# Altium PCB TIDA-010933-RevA.PcbDoc (part 2 of 9) (continued)
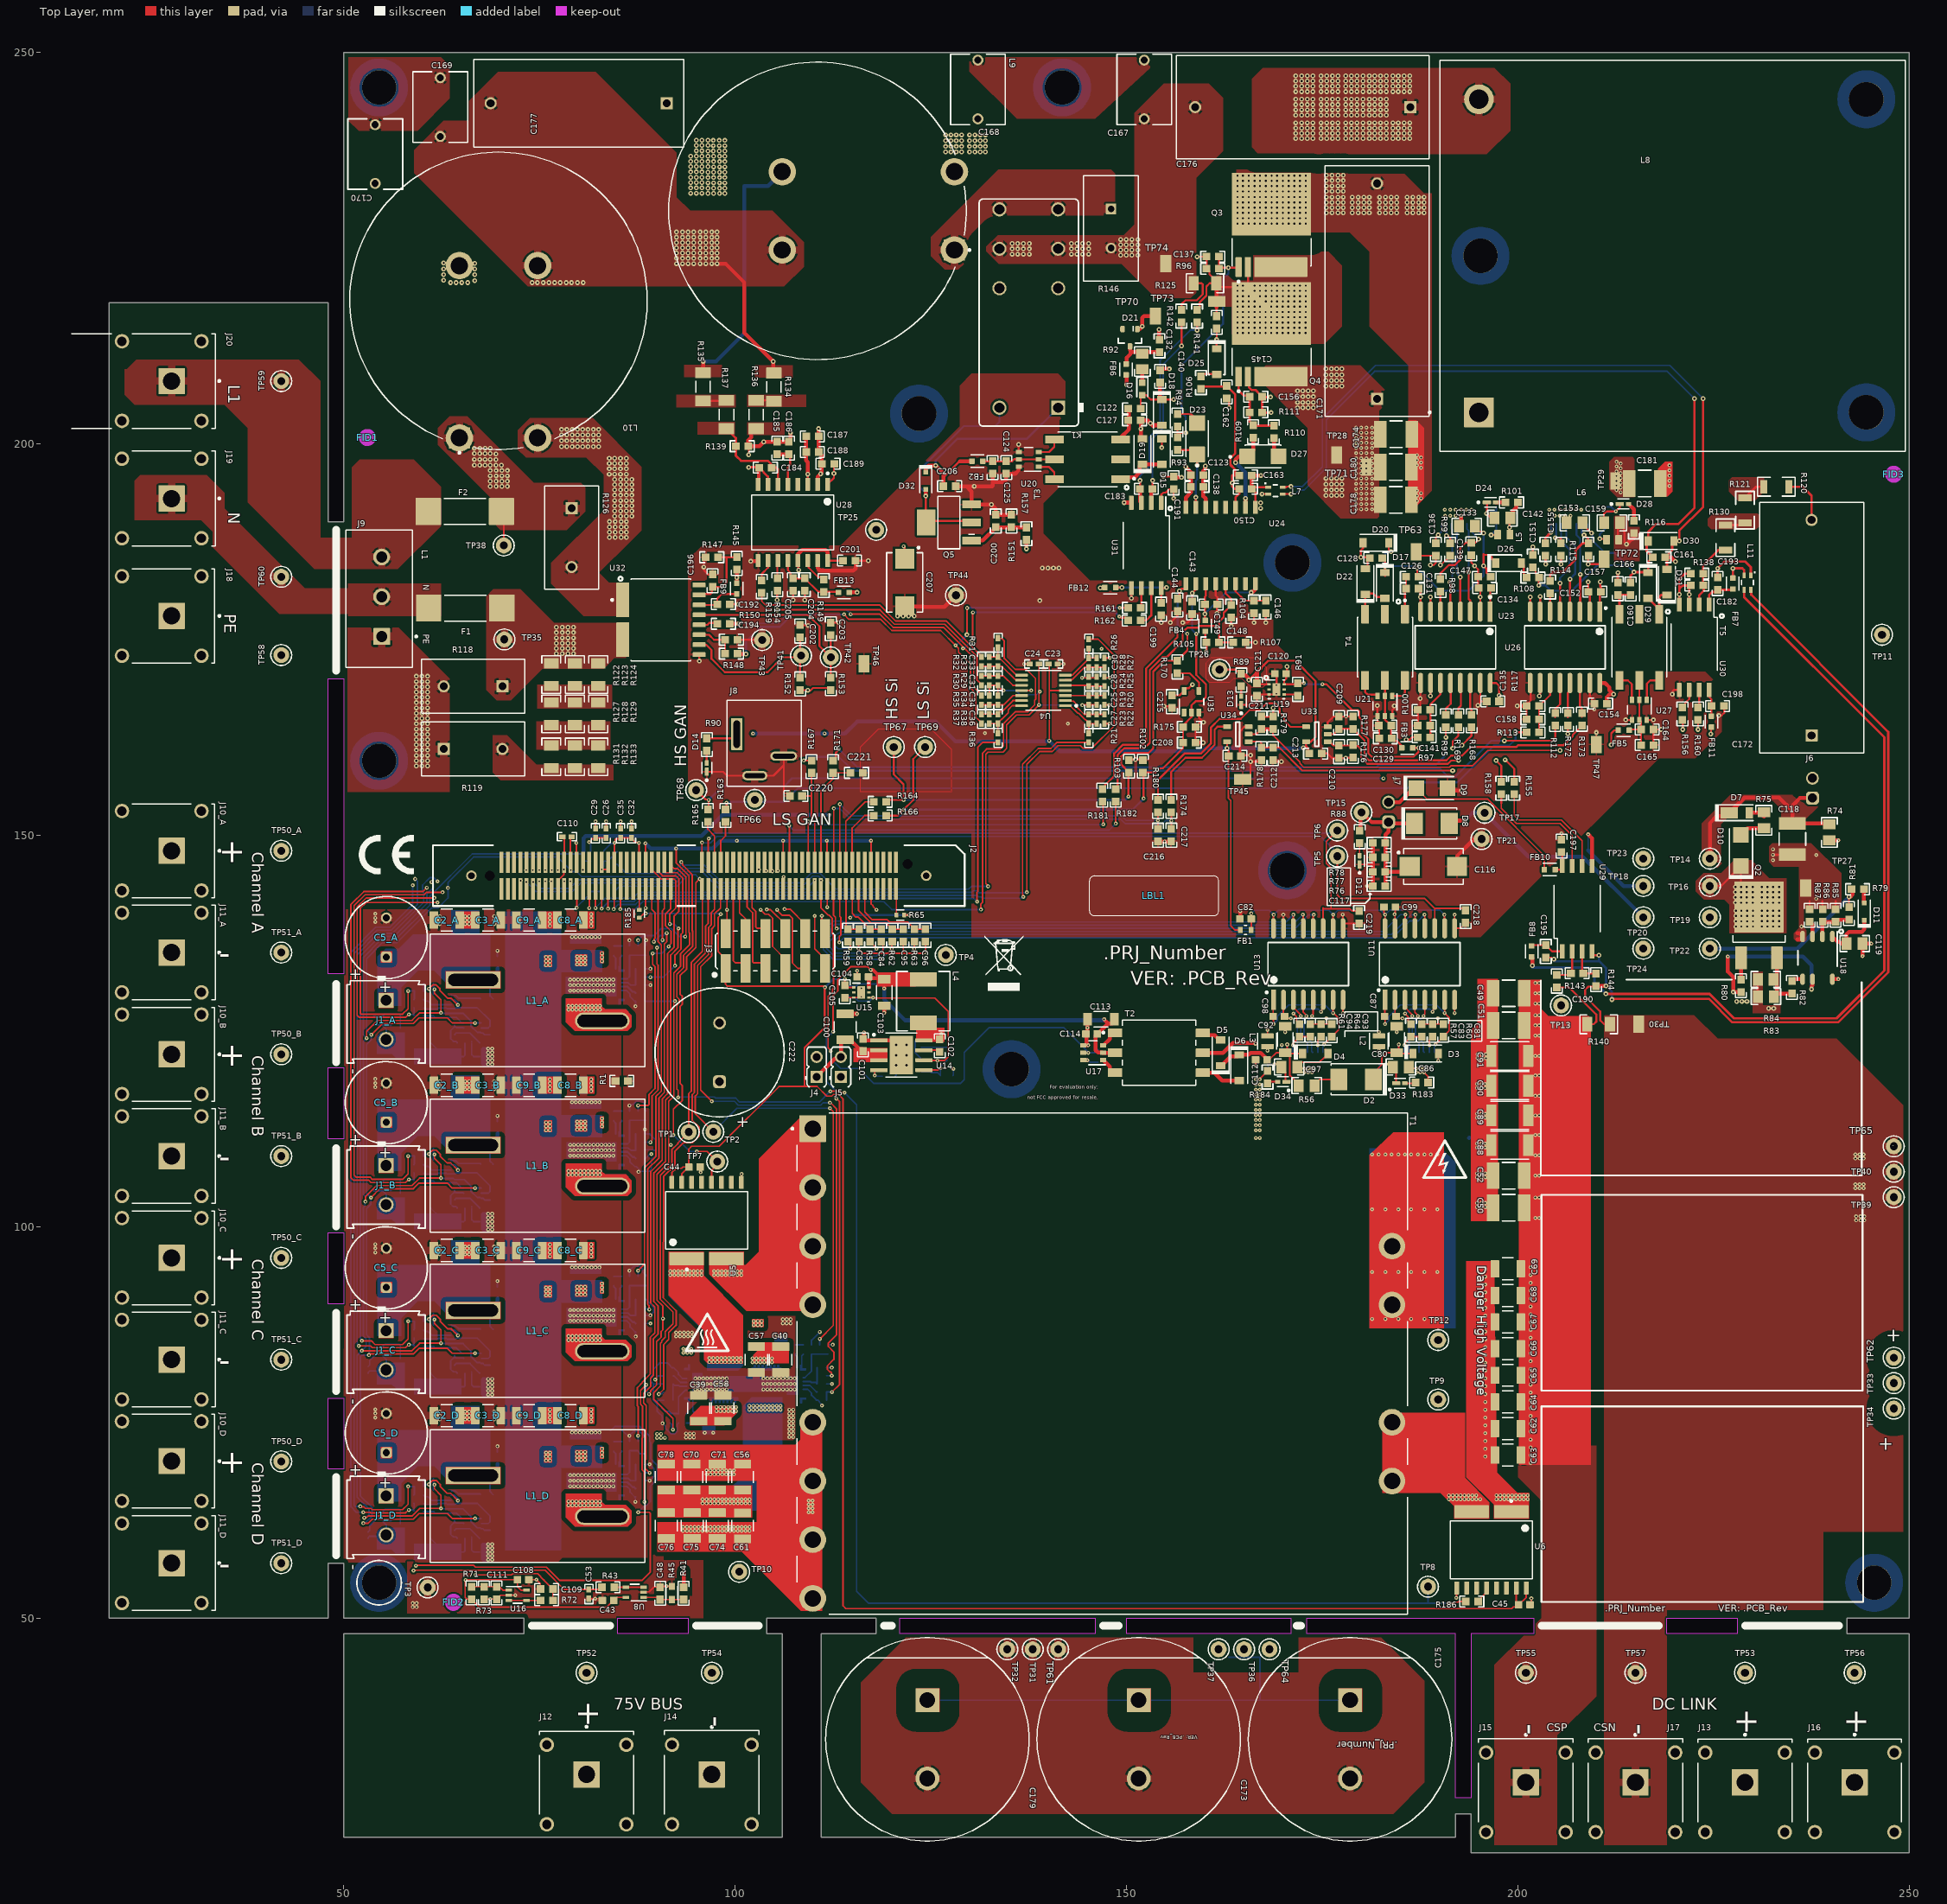
[diagram p0: Top Layer view]
## Components (designator, comment, footprint, x,y, rotation, side; value= is the part's Value field where it differs from the comment) (continued)
R165 "RC0603FR-0756RL" 0603 96.5,152.5 r270 top value=56.0
R166 "RC0603FR-0756RL" 0603 118.5,152.5 r0 top value=56.0
R167 "RC0603FR-0756RL" 0603 109.75,158.75 r270 top value=56.0
R168 "RC0603FR-0756RL" 0603 194.07,164.592 r270 top value=56.0
R169 "RC0603FR-0756RL" 0603 192.377,164.592 r270 top value=56.0
R170 "RC0603FR-0756RL" 0603 156.471,171.478 r90 top value=56.0
R171 "RC0603FR-0756RL" 0603 112.5,158.75 r270 top value=56.0
R172 "RC0603FR-0756RL" 0603 206.377,164.775 r270 top value=56.0
R173 "RC0603FR-0756RL" 0603 208.169,164.8 r270 top value=56.0
R174 "RC0603FR-0756RL" 0603 155.7,153.7 r270 top value=56.0
R175 "CRCW060310K0FKEA" 0603 158.008,163.821 r180 top value=10.0k
R176 "CRCW060310K0FKEA" 0603 178.92,160.696 r90 top value=10.0k
R177 "CRCW060310K0FKEA" 0603 178.92,164.367 r270 top value=10.0k
R178 "CRCW060310K0FKEA" 0603 167.205,160.399 r90 top value=10.0k
R179 "CRCW060310K0FKEA" 0603 168.705,164.342 r270 top value=10.0k
R180 "RC0603FR-0756RL" 0603 154,153.7 r270 top value=56.0
R181 "RC0603FR-0756RL" 0603 146.9,155.094 r90 top value=56.0
R182 "RC0603FR-0756RL" 0603 148.6,155.094 r90 top value=56.0
R183 "RC0603JR-075K6L" 0603 187.7,118.4 r180 top value=5.6k
R184 "RC0603JR-075K6L" 0603 168,119.1 r270 top value=5.6k
R185 "RC0402JR-070RP" FP-RC0402JR-070RP_0402-MFG 87.743,139.935 r90 top value=0
R186 "RC0603JR-070RL" 0603 194.1,52.1 r180 top value=0
T1 "181923" FP-181923_PTH_TRANSFORMER_74MM0_60MM0-MFG 146.9,82.5 r0 top locked
T2 "750316819" FP-750316819_SMT_XFRMR_9MM25_8MM30-MFG 154.12,122.2 r0 top
T3 "PAD002-T764113S" FP-PAD002-T764113S_SMT_XFRMR_7MM1_6MM5-MFG 145,198 r180 top
T4 "PAD002-T764113S" FP-PAD002-T764113S_SMT_XFRMR_7MM1_6MM5-MFG 183,174 r270 top
T5 "PAD002-T764113S" FP-PAD002-T764113S_SMT_XFRMR_7MM1_6MM5-MFG 215.5,174 r270 top
TP1 "5001" Keystone5001 94.05,112.074 r90 top
TP2 "5001" Keystone5001 97.2,112.1 r90 top
TP3 "5001" Keystone5001 60.7,53.9 r180 top
TP4 "5001" Keystone5001 126.9,134.7 r180 top
TP5 "5001" Keystone5001 176.9,147.293 r180 top
TP6 "5001" Keystone5001 176.9,150.586 r180 top
TP7 "5001" Keystone5001 97.7,108.3 r180 top
TP8 "5001" Keystone5001 188.5,54 r90 top
TP9 "5001" Keystone5001 189.8,77.9 r90 top
TP10 "5001" Keystone5001 100.5,55.9 r90 top
TP11 "5001" Keystone5001 246.5,175.6 r180 top
TP12 "5001" Keystone5001 189.8,85.5 r90 top
TP13 "5001" Keystone5001 205.5,128.25 r180 top
TP14 "5001" Keystone5001 224.5,147 r0 top
TP15 "5000" Keystone5000 180,152.9 r180 top
TP16 "5001" Keystone5001 224.5,143.5 r0 top
TP17 "5001" Keystone5001 195.725,152.856 r270 top
TP18 "5001" Keystone5001 216,143.5 r0 top
TP19 "5001" Keystone5001 224.5,139.5 r0 top
TP20 "5001" Keystone5001 216,139.5 r0 top
TP21 "5001" Keystone5001 195.344,149.506 r0 top
TP22 "5001" Keystone5001 224.5,135.5 r90 top
TP23 "5001" Keystone5001 216,147 r0 top
TP24 "5001" Keystone5001 216,135.5 r0 top
TP25 "5000" Keystone5000 118,189 r90 top
TP26 "5000" Keystone5000 161.864,171.136 r90 top
TP27 "S2751-46R" Harwin_S2751-46R 236.75,143.228 r90 top
TP28 "S2751-46R" Harwin_S2751-46R 176.826,198.555 r90 top
TP29 "S2751-46R" Harwin_S2751-46R 212.487,195.246 r90 top
TP30 "S2751-46R" Harwin_S2751-46R 215.4,125.843 r90 top
TP31 "5001" Keystone5001 138,46 r180 top
TP32 "5001" Keystone5001 134.75,46 r180 top
TP33 "5001" Keystone5001 248,80 r0 top
TP34 "5001" Keystone5001 248,76.75 r0 top
TP35 "5001" Keystone5001 70.5,175 r90 top
TP36 "5001" Keystone5001 165,46 r180 top
TP37 "5001" Keystone5001 161.75,46 r180 top
TP38 "5002" Keystone5002 70.428,187 r90 top
TP39 "5001" Keystone5001 248,103.75 r0 top
TP40 "5001" Keystone5001 248,107 r0 top
TP41 "5004" Keystone5004 108.406,172.936 r180 top
TP42 "5003" Keystone5003 112.203,172.713 r180 top
TP43 "5001" Keystone5001 103.425,174.92 r0 top
TP44 "5001" Keystone5001 128.208,180.647 r90 top
TP45 "S2751-46R" Harwin_S2751-46R 164.847,157.139 r180 top
TP46 "S2751-46R" Harwin_S2751-46R 116.442,171.876 r90 top
TP47 "S2751-46R" Harwin_S2751-46R 210.011,161.586 r90 top
TP48 "5015" Testpoint_Keystone_Miniature 98.7,85.125 r0 bottom
TP49 "5015" Testpoint_Keystone_Miniature 103.491,74.6 r0 bottom
TP50_A "5000" Keystone5000 42,148 r90 top (schematic designator TP50)
TP50_B "5000" Keystone5000 42,122 r90 top (schematic designator TP50)
TP50_C "5000" Keystone5000 42,96 r90 top (schematic designator TP50)
TP50_D "5000" Keystone5000 42,70 r90 top (schematic designator TP50)
TP51_A "5001" Keystone5001 42,135 r90 top (schematic designator TP51)
TP51_B "5001" Keystone5001 42,109 r90 top (schematic designator TP51)
TP51_C "5001" Keystone5001 42,83 r90 top (schematic designator TP51)
TP51_D "5001" Keystone5001 42,57 r90 top (schematic designator TP51)
TP52 "5000" Keystone5000 81,43 r90 top
TP53 "5000" Keystone5000 229,43 r90 top
TP54 "5001" Keystone5001 97,43 r90 top
TP55 "5001" Keystone5001 201,43 r90 top
TP56 "5000" Keystone5000 243,43 r90 top
TP57 "5001" Keystone5001 215,43 r90 top
TP58 "5001" Keystone5001 42,173 r180 top
TP59 "5001" Keystone5001 42,208 r180 top
TP60 "5001" Keystone5001 42,183 r180 top
TP61 "5001" Keystone5001 141.25,46 r0 top
TP62 "5001" Keystone5001 248,83.25 r90 top
TP63 "S2751-46R" Harwin_S2751-46R 187,186.2 r90 top
TP64 "5001" Keystone5001 168.25,46 r0 top
TP65 "5001" Keystone5001 248,110.25 r90 top
TP66 "5001" Keystone5001 102.493,154.5 r90 top
TP67 "5001" Keystone5001 120.25,161.25 r90 top
TP68 "5001" Keystone5001 95,155.75 r90 top
TP69 "5001" Keystone5001 124.25,161.25 r90 top
TP70 "S2751-46R" Harwin_S2751-46R 161.505,218.177 r180 top
TP71 "S2751-46R" Harwin_S2751-46R 180.628,197.015 r90 top
TP72 "S2751-46R" Harwin_S2751-46R 210.984,185.239 r90 top
TP73 "S2751-46R" Harwin_S2751-46R 153.675,216.3 r90 top
TP74 "S2751-46R" Harwin_S2751-46R 155,223 r90 top
U1_A "LMG2100R044" VBN0016A-MFG 82.145,130.822 r90 bottom (schematic designator U1)
U1_B "LMG2100R044" VBN0016A-MFG 82.145,109.722 r90 bottom (schematic designator U1)
U1_C "LMG2100R044" VBN0016A-MFG 82.145,88.622 r90 bottom (schematic designator U1)
U1_D "LMG2100R044" VBN0016A-MFG 82.145,67.522 r90 bottom (schematic designator U1)
U2_A "TLV9001IDCKR" DCK0005A_N 62.575,128.975 r180 bottom (schematic designator U2)
U2_B "TLV9001IDCKR" DCK0005A_N 62.575,107.875 r180 bottom (schematic designator U2)
U2_C "TLV9001IDCKR" DCK0005A_N 62.575,86.775 r180 bottom (schematic designator U2)
U2_D "TLV9001IDCKR" DCK0005A_N 62.575,65.675 r180 bottom (schematic designator U2)
U3_A "INA181A3IDCKR" DCK0006A-MFG 66.525,125.365 r180 bottom (schematic designator U3)
U3_B "INA181A3IDCKR" DCK0006A-MFG 66.525,104.265 r180 bottom (schematic designator U3)
U3_C "INA181A3IDCKR" DCK0006A-MFG 66.525,83.165 r180 bottom (schematic designator U3)
U3_D "INA181A3IDCKR" DCK0006A-MFG 66.525,62.065 r180 bottom (schematic designator U3)
U4 "OPA4388IPWR" PW0014A-MFG 139.364,168.484 r180 top
U5 "TMCS1133B2QDVGR" DVG0010A-MFG 96.34,100.775 r90 top
U6 "TMCS1133B4QDVGR" DVG0010A-MFG 196.6,58.7 r270 top
U7 "LMG2100R044" VBN0016A-MFG 97.165,79.916 r270 bottom
U8 "TLV9001IDCKR" DCK0005A_N 87.16,53.277 r180 top
U9 "LMG2100R044" VBN0016A-MFG 105.328,79.884 r90 bottom
U10 "LMG3522R030Q" RQS0052C-C01-MFG 188.026,116.525 r180 bottom
U11 "ISO7741FDW" FP-DW0016A-IPC_A 187.451,133.525 r90 top
U12 "LMG3522R030Q" RQS0052C-C01-MFG 173.776,116.525 r180 bottom
U13 "ISO7741FDW" FP-DW0016A-IPC_A 173.201,133.525 r90 top
U14 "LM5164DDAR" DDA0008E-MFG 121.22,121.9 r0 top
U15 "TLV75533PDRVR" DRV0006A 116.1,129.9 r0 top
U16 "TLV9001IDCKR" DCK0005A_N 72.2,52.9 r0 top
U17 "SN6505BDBVR" DBV0006A_L 145.72,122.2 r180 top
U18 "UCC28710DR" D0007A_N 238.25,134.325 r270 top
U19 "TLV75533PDRVR" DRV0006A 169.147,168.613 r0 top
U20 "SN6505BDBVR" DBV0006A_L 137.5,198 r180 top
U21 "SN6505BDBVR" DBV0006A_L 183,166.5 r270 top
U22 "LMG3522R030Q" RQS0052C-C01-MFG 191.5,195.5 r0 bottom
U23 "ISO7741FDW" FP-DW0016A-IPC_A 192,174 r270 top
U24 "UCC21540DW" DW0016B_HV 162,187 r90 top
U25 "LMG3522R030Q" RQS0052C-C01-MFG 205.5,195.5 r0 bottom
U26 "ISO7741FDW" FP-DW0016A-IPC_A 206,174 r270 top
U27 "SN6505BDBVR" DBV0006A_L 215.5,166 r270 top
U28 "AMC3330QDWERQ1" DWE0016A-MFG 107.354,189.941 r270 top
U29 "AMC1302DWV" DWV0008A 207.55,140.6 r90 top
U30 "AMC1311BDWVR" DWV0008A 222.5,174 r270 top
U31 "AMC1302DWV" DWV0008A 152.5,187 r270 top
U32 "TMCS1123B4QDVGR" DVG0010A-MFG 90.5,177.5 r0 top
U33 "SN74LVC1G08MDBVREP" DBV0005A_N 174.301,162.892 r180 top
U34 "SN74LVC1G08MDBVREP" DBV0005A_N 164.205,162.899 r180 top
U35 "SN74LVC1G14DBVT" DBV0005A_N 158.293,167.052 r90 top
ZZ1 "These assemblies are ESD sensitive, ESD precautions shall be observed." AssemblyNote 290.423,95.536 r90 top
ZZ2 "These assemblies must be clean and free from flux and all contaminants. Use of no clean flux is not acceptable." AssemblyNote 285.323,56.136 r90 top
ZZ3 "These assemblies must comply with workmanship standards IPC-A-610 Class 2, unless otherwise specified." AssemblyNote 280.023,64.436 r90 top

## Footprints (in the part's own frame and the unit in brackets; to place one, negate y for a bottom-side part, rotate by r counter-clockwise, add the part's x,y. Pads: shape width x height; smd on the part's side, far side on the other; paste and mask are expansions set on the pad)
0402 [mm] "0402 from SM-752 data"
  rect 0.8x0.6 smd: 1(-0.6,0) 2(0.6,0)
  silkscreen extent -1.22,-0.52 1.22,0.52, body extent -0.55,-0.3 0.55,0.3, height 0.6
0603 [mm] "0603 from SM-752 data"
  rect 1x0.95 smd: 1(-0.8,0) 2(0.8,0)
  silkscreen extent -1.52,-0.69 1.52,0.69, body extent -0.87,-0.47 0.87,0.47, height 1
0805_HV [mil] "0805 with 30mil clearance between pads"
  rect 50x63 smd: 1(-40,0) 2(40,0)
  silkscreen extent -74,-40 74,40, body extent -43,-29 43,29, height 57
1111C_Red [mm] "SMD, 2-Leads, Body 1.6x0.8mm"
  rect 0.8x0.8 smd: 1(-0.8,0) 2(0.8,0)
  silkscreen extent -1,-0.7 1.7,0.7, body extent -0.85,-0.45 0.85,0.45, height 0.8
1206 [mm] "1206 from SM-752 data"
  rect 1.3x1.85 smd: 1(-1.45,0) 2(1.45,0)
  silkscreen extent -2.4,-1.21 2.4,1.21, body extent -1.7,-0.9 1.7,0.9, height 1.35
1206_180 [mm] "1206_180"
  rect 1.1x1.6 smd: 1(-1.7,0) 2(1.7,0)
  silkscreen extent -0.9,-1 0.9,1, body extent -1.75,-0.95 1.75,0.95, height 1.8
1812_254 [mm] "SMD, 2-Leads, Body 4.8x3.4mm"
  rect 1.6x3.4 smd: 1(-2,0) 2(2,0)
  silkscreen extent -0.8,-1.7 0.8,1.7, body extent -2.4,-1.7 2.4,1.7, height 2.54
7343-43 [mm] "Medium density IPC based on Kemet T495 series"
  rect 2.55x2.45 smd: 1(-3.025,0) 2(3.025,0)
  silkscreen extent -4.56,-2.3 3.8,2.3, body extent -3.8,-2.3 3.8,2.3, height 4.3
AssemblyNote [mm] "Assembly Note"
CE_Mark_5mm [mm] "Minimum text height for CE Mark"
  silkscreen extent -57.07,-235 -50.08,-230
controlCARD-120HSEC [mm] "Pads are not numbered according to Samtec datasheet."
  rect 0.5x2.724 smd: 1(-23.357,-1.678) 2(-23.357,1.722) 3(-22.557,-1.678) 4(-22.557,1.722) 5(-21.757,-1.678) 6(-21.757,1.722) 7(-20.957,-1.678) 8(-20.957,1.722) 9(-20.157,-1.678) 10(-20.157,1.722) 11(-19.357,-1.678) 12(-19.357,1.722) 13(-18.557,-1.678) 14(-18.557,1.722) 15(-17.757,-1.678) 16(-17.757,1.722) 17(-16.957,-1.678) 18(-16.957,1.722) 19(-16.157,-1.678) 20(-16.157,1.722) 21(-15.357,-1.678) 22(-15.357,1.722) 23(-14.557,-1.678) 24(-14.557,1.722) 25(-13.757,-1.678) 26(-13.757,1.722) 27(-12.957,-1.678) 28(-12.957,1.722) 29(-12.157,-1.678) 30(-12.157,1.722) 31(-11.357,-1.678) 32(-11.357,1.722) 33(-10.557,-1.678) 34(-10.557,1.722) 35(-9.757,-1.678) 36(-9.757,1.722) 37(-8.957,-1.678) 38(-8.957,1.722) 39(-8.157,-1.678) 40(-8.157,1.722) 41(-7.357,-1.678) 42(-7.357,1.722) 43(-6.557,-1.678) 44(-6.557,1.722) 45(-5.757,-1.678) 46(-5.757,1.722) 47(-4.957,-1.678) 48(-4.957,1.722) 49(-4.157,-1.678) 50(-4.157,1.722) 51(-3.357,-1.678) 52(-3.357,1.722) 53(-2.557,-1.678) 54(-2.557,1.722) 55(-1.757,-1.678) 56(-1.757,1.722) 57(2.243,-1.678) 58(2.243,1.722) 59(3.043,-1.678) 60(3.043,1.722) 61(3.843,-1.678) 62(3.843,1.722) 63(4.643,-1.678) 64(4.643,1.722) 65(5.443,-1.678) 66(5.443,1.722) 67(6.243,-1.678) 68(6.243,1.722) 69(7.043,-1.678) 70(7.043,1.722) 71(7.843,-1.678) 72(7.843,1.722) 73(8.643,-1.678) 74(8.643,1.722) 75(9.443,-1.678) 76(9.443,1.722) 77(10.243,-1.678) 78(10.243,1.722) 79(11.043,-1.678) 80(11.043,1.722) 81(11.843,-1.678) 82(11.843,1.722) 83(12.643,-1.678) 84(12.643,1.722) 85(13.443,-1.678) 86(13.443,1.722) 87(14.243,-1.678) 88(14.243,1.722) 89(15.043,-1.678) 90(15.043,1.722) 91(15.843,-1.678) 92(15.843,1.722) 93(16.643,-1.678) 94(16.643,1.722) 95(17.443,-1.678) 96(17.443,1.722) 97(18.243,-1.678) 98(18.243,1.722) 99(19.043,-1.678) 100(19.043,1.722) 101(19.843,-1.678) 102(19.843,1.722) 103(20.643,-1.678) 104(20.643,1.722) 105(21.443,-1.678) 106(21.443,1.722) 107(22.243,-1.678) 108(22.243,1.722) 109(23.043,-1.678) 110(23.043,1.722) 111(23.843,-1.678) 112(23.843,1.722) 113(24.643,-1.678) 114(24.643,1.722) 115(25.443,-1.678) 116(25.443,1.722) 117(26.243,-1.678) 118(26.243,1.722) 119(27.043,-1.678) 120(27.043,1.722)
  round 0.025 hole 1.27 unplated mask+0.876: 181(-24.857,0.022) 182(28.543,1.522)
  round 1.348 hole 0.84: 185(-27.207,0.022) 186(30.893,0.022)
  silkscreen extent -32.11,-3.86 35.8,3.9, body extent -31.75,-3.48 35.3,3.52, height 12.35
D0007A_N [mm] "SOIC, 7-Leads, Body 4.9x3.9mm, Pitch 1.27mm, IPC Medium Density"
  oval 1.45x0.6 smd: 1(-2.725,1.905) 2(-2.725,0.635) 3(-2.725,-0.635) 4(-2.725,-1.905) 5(2.725,-1.905) 6(2.725,-0.635) 8(2.725,1.905)
  silkscreen extent -3.32,-2.5 1.1,2.52, body extent -3.01,-2.45 3.01,2.45, height 1.75
DBV0005A_N [mm] "SOT23, 5-Leads, Body 2.9x1.6mm, Pitch 0.95mm, Lead Span 2.8mm, IPC Medium Density"
  rrect17% 1x0.6 smd: 1(-1.375,0.95) 2(-1.375,0) 3(-1.375,-0.95) 4(1.375,-0.95) 5(1.375,0.95)
  silkscreen extent -0.25,-1.55 0.25,1.55, body extent -1.42,-1.46 1.42,1.46, height 1.09
DBV0006A_L [mm] "SOT23, 6-Leads, Body 2.9x1.6mm, Pitch 0.95mm, Lead Span 2.8mm, IPC High Density"
  rrect18% 0.8x0.55 smd: 1(-1.275,0.95) 2(-1.275,0) 3(-1.275,-0.95) 4(1.275,-0.95) 5(1.275,0) 6(1.275,0.95)
  silkscreen extent -1.55,-1.53 0.55,1.53, body extent -1.42,-1.46 1.42,1.46, height 1.12
DCK0005A_N [mm] "SOT353, 5-Leads, Body 2x1.3mm, Pitch 0.65mm, Lead Span 2.1mm, IPC Medium Density"
  rrect25% 0.85x0.4 smd: 1(-1.125,0.65) 2(-1.125,0) 3(-1.125,-0.65) 4(1.125,-0.65) 5(1.125,0.65)
  silkscreen extent -1.48,-1.02 0.55,1.1, body extent -1.14,-1 1.14,1, height 0.95
DCK0006A-MFG [mm]
  rrect25% 0.9x0.4 smd paste-1000 mask+0: 1(-1.1,0.65) 2(-1.1,0) 3(-1.1,-0.65) 4(1.1,-0.65) 5(1.1,0) 6(1.1,0.65)
  silkscreen extent -1.2,-1.07 0.27,1.36, body extent -1.1,-1 1.1,1, height 1.1
DDA0008E-MFG [mm]
  rrect20% 2.2x0.5 smd paste-1000 mask+0: 1(-2.875,1.905) 2(-2.875,0.635) 3(-2.875,-0.635) 4(-2.875,-1.905) 5(2.875,-1.905) 6(2.875,-0.635) 7(2.875,0.635) 8(2.875,1.905)
  rrect3% 2.95x4.9 smd paste-1000 mask-1000: 9(0,0)
  silkscreen extent -3.64,-2.83 2,2.83, body extent -4.08,-2.68 4.08,2.68, height 0.25
DNK0008A [mm] "SON, 8-Leads, Body 5x6mm"
  rrect39% 0.86x0.51 smd paste-0.05 mask-0.05: 1(-2.82,1.905) 2(-2.82,0.635) 3(-2.82,-0.635) 4(-2.82,-1.905) 5(2.82,-1.905) 6(2.82,-0.635) 7(2.82,0.635) 8(2.82,1.905)
  rrect40% 0.25x0.555 on Bottom Solder: 9(-0.83,-2.372) 9(-0.83,2.372)
  rrect40% 0.25x0.555 on Bottom Paste: 9(-0.83,-2.372) 9(-0.83,2.372)
  rrect11% 0.95x1.13 on Bottom Paste: 9(-0.535,-1.33) 9(-0.535,0) 9(-0.535,1.33) 9(0.615,-1.33) 9(0.615,0) 9(0.615,1.33) 9(1.765,-1.33) 9(1.765,0) 9(1.765,1.33)
  rrect3% 3.58x4 on Bottom Solder: 9(0.75,0)
  rrect5% 4.34x5.4 smd paste-3 mask-3: 9(1.08,0)
  body extent -3.05,-2.55 3.05,2.55, height 1.06
DRV0006A [mm] "SON, 6-Leads, Body 2x2mm, Pitch 0.65mm, Thermal Pad 1.6x1mm, TI Recommended"
  rrect33% 0.45x0.3 smd: 1(-0.975,0.65) 2(-0.975,0) 3(-0.975,-0.65) 4(0.975,-0.65) 5(0.975,0) 6(0.975,0.65)
  rrect14% 1x0.7 on Top Paste: 7(0,-0.45) 7(0,0.45)
  rrect10% 1x1.6 smd paste-0.5: 7(0,0)
  silkscreen extent -1.05,-1.2 1.05,1.2, body extent -1.05,-1.05 1.05,1.05, height 0.81
DVG0010A-MFG [mm]
  rrect6% 1.65x4.41 smd paste+0 mask+0: 1(-4.875,2.54) 2(-4.875,-2.54)
  rrect17% 1.65x0.6 smd paste+0 mask+0: 3(4.875,-4.445) 4(4.875,-3.175) 5(4.875,-1.905) 6(4.875,-0.635) 7(4.875,0.635) 8(4.875,1.905) 9(4.875,3.175) 10(4.875,4.445)
  silkscreen extent -6.37,-5.25 3.67,5.25, body extent -5.8,-5.5 5.8,5.5, height 0.25
DW0016B_HV [mm] "SOIC-16, HV/isolation option"
  rrect17% 1.65x0.6 smd: 1(-4.875,4.445) 2(-4.875,3.175) 3(-4.875,1.905) 4(-4.875,0.635) 5(-4.875,-0.635) 6(-4.875,-1.905) 7(-4.875,-3.175) 8(-4.875,-4.445) 9(4.875,-4.445) 10(4.875,-3.175) 11(4.875,-1.905) 12(4.875,-0.635) 13(4.875,0.635) 14(4.875,1.905) 15(4.875,3.175) 16(4.875,4.445)
  body extent -5.17,-5.15 5.17,5.15, height 2.59
DWE0016A-MFG [mm]
  rrect17% 1.65x0.6 smd paste+0 mask+0: 1(-4.875,4.445) 2(-4.875,3.175) 3(-4.875,1.905) 4(-4.875,0.635) 5(-4.875,-0.635) 6(-4.875,-1.905) 7(-4.875,-3.175) 8(-4.875,-4.445) 9(4.875,-4.445) 10(4.875,-3.175) 11(4.875,-1.905) 12(4.875,-0.635) 13(4.875,0.635) 14(4.875,1.905) 15(4.875,3.175) 16(4.875,4.445)
  silkscreen extent -6.37,-5.25 3.5,5.25, body extent -5.8,-5.5 5.8,5.5, height 0.25
DWV0008A [mm] "SOIC, 8-Leads, Body 5.95x7.6mm (max), Pitch 1.27mm"
  rrect17% 1.8x0.6 smd: 1(-5.45,1.905) 2(-5.45,0.635) 3(-5.45,-0.635) 4(-5.45,-1.905) 5(5.45,-1.905) 6(5.45,-0.635) 7(5.45,0.635) 8(5.45,1.905)
  silkscreen extent -6.25,-2.95 2.98,2.95, body extent -5.77,-2.92 5.77,2.93, height 2.67
DYA0002A-MFG [mm]
  rrect25% 0.67x0.4 smd paste+0 mask+0: 1(-0.74,0) 2(0.74,0)
  silkscreen extent -1.75,-0.63 0.65,0.63, body extent -0.8,-0.39 0.8,0.39, height 0.77
E_900x700x900 [mm] "TH, 2- Leads, Body 9x7mm, Pin Spacing 7.5mm"
  round 1.4 hole 0.9: 1(-3.75,0) 2(3.75,0)
  silkscreen extent -4.5,-3.5 4.5,3.5, body extent -4.49,-3.5 4.49,3.5, height 11.96
FCC_disclaimer_stacked [mm]
Fiducial6.4-20 [mm]
  round 0.635 smd mask+0.683: 1(0,0)
  Top Layer keep-out circle w1.178: c0,0 r0.5
FP-181923_PTH_TRANSFORMER_74MM0_60MM0-MFG [mm]
  rrect3% 3.4x3.4 hole 2.1 paste-2539.97 mask+0: 1(-37,30)
  round 3.4 hole 2.1 paste-2539.97 mask+0: 2(-37,22.5) 3(-37,15) 4(-37,7.5) 5(-37,-7.5) 6(-37,-15) 7(-37,-22.5) 8(-37,-30) 9(37,-15) 10(37,-7.5) 11(37,7.5) 12(37,15)
  silkscreen extent -39.72,-32 39,32, body extent -44.6,-32.06 44.6,32.06, height 28.06
FP-796636-3_HDR3-MFG [mm]
  rrect5% 2.15x2.15 hole 1.4 paste-2539.97 mask+0: 1(-4.83,-0.325)
  round 2.15 hole 1.4 paste-2539.97 mask+0: 2(0.25,-0.325) 3(5.33,-0.325)
  silkscreen extent -8.78,-4.88 8.78,4.25, body extent -8.88,-4.35 8.88,4.35, height 0.25
FP-750316819_SMT_XFRMR_9MM25_8MM30-MFG [mm]
  rrect9% 1.83x1.09 smd paste+0 mask+0: 1(-5.62,2.54) 2(-5.62,0) 3(-5.62,-2.54) 4(5.62,-2.54) 5(5.62,0) 6(5.62,2.54)
  silkscreen extent -7.21,-4.15 4.69,4.15, body extent -6.64,-4.25 6.64,4.25, height 0.25
FP-9774015960R_ROUND_SPACER_6MM0-MFG [mm]
  round 5.245 smd paste-1000 mask-1000: 1(0,0)
  round 4.4 hole 4.4 unplated paste-2539.97 mask+0: ""(0,0)
  Top Layer circle w1.5: c0,0 r2.95
  silkscreen extent -4.15,-4.15 4.15,4.15, body extent -3,-3 3,3, height 1.6
FP-694106402002_CONN_PWR_10MM7_9MM0-MFG [mm]
  rrect7% 1.4x4.1 hole 3.5 slot 0.8 at 0 deg paste-2539.97 mask+0: 1(-3.5,1.15)
  rrect100% 3.2x1.2 hole 0.6 slot 2.6 at 0 deg paste-2539.97 mask+0: 2(-1.2,-4.15)
  rrect100% 3.4x1.2 hole 0.6 slot 2.8 at 0 deg paste-2539.97 mask+0: 3(2.5,-1.65)
  silkscreen extent -4.75,-5.5 4.75,5.5, body extent -4.85,-5.6 4.85,5.6, height 0.25
FP-ALC80A121BD450_RADIAL-MFG [mm]
  rrect3% 3.05x3.05 hole 2 paste-2539.97 mask+0: 1(-5,0)
  round 3.05 hole 2 paste-2539.97 mask+0: 2(5,0)
  silkscreen extent -13,-13 13,13, body extent -13.1,-13.1 13.1,13.1, height 0.25
FP-C4AQHBU4560P1XJ_RADIAL-MFG [mm]
  rrect6% 1.55x1.55 hole 1 paste-2539.97 mask+0: 1(-13.75,0)
  round 1.55 hole 1 paste-2539.97 mask+0: 2(13.75,0)
  silkscreen extent -16,-6.65 16,6.65, body extent -16.1,-6.75 16.1,6.75, height 0.25
FP-C3225C0G2A333J200AA_1210-MFG [mm]
  rrect9% 1.1x2.2 smd paste+0 mask+0: 1(-1.65,0) 2(1.65,0)
  silkscreen extent -0.72,-1.4 0.72,1.4, body extent -2.3,-1.5 2.3,1.5, height 0.25
FP-C3225C0G3A472J200AC_1210-MFG [mm]
  rrect9% 1.1x2.2 smd paste+0 mask+0: 1(-1.65,0) 2(1.65,0)
  silkscreen extent -0.72,-1.4 0.72,1.4, body extent -2.3,-1.5 2.3,1.5, height 0.25
FP-C3225X7R2A106K250AC_1210-MFG [mm]
  rrect9% 1.1x2.2 smd paste+0 mask+0: 1(-1.65,0) 2(1.65,0)
  silkscreen extent -0.72,-1.43 0.72,1.43, body extent -2.3,-1.53 2.3,1.53, height 0.25
FP-C3225X7R2A225K230AB_1210-MFG [mm]
  rrect9% 1.1x2.2 smd paste+0 mask+0: 1(-1.65,0) 2(1.65,0)
  silkscreen extent -0.72,-1.4 0.72,1.4, body extent -2.3,-1.5 2.3,1.5, height 0.25
FP-C4532C0G2J473J320KA_1812-MFG [mm]
  rrect8% 1.3x2.8 smd paste+0 mask+0: 1(-2.35,0) 2(2.35,0)
  silkscreen extent -2.45,-1.8 2.45,1.8, body extent -3.1,-1.9 3.1,1.9, height 0.25
FP-CL10B104KB8NNNC_0603-IPC_B [mm]
  rrect11% 0.958x0.912 smd paste+0 mask+0: 1(-0.727,0) 2(0.727,0)
  body extent -1.46,-0.71 1.46,0.71, height 0.25
FP-D6744_PTH_CMC_38MM0-MFG [mm]
  rrect4% 2.7x2.7 hole 1.5 paste-2539.97 mask+0: 1(5,17.5)
  round 2.7 hole 1.5 paste-2539.97 mask+0: 2(5,-4.5) 3(-5,-4.5) 4(-5,17.5)
  silkscreen extent -19,-19 19,19.53, body extent -20.09,-20.09 20.09,20.09, height 0.25
FP-D6746_PTH_59MM5_50MM0-MFG [mm]
  rrect3% 3.8x3.8 hole 2.5 paste-2539.97 mask+0: 1(-24.75,-20)
  round 3.8 hole 2.5 paste-2539.97 mask+0: 2(-24.75,20)
  round 3.5 hole 3.5 unplated paste-2539.97 mask+0: ""(24.75,-20) ""(24.75,20)
  silkscreen extent -31.15,-25 29.75,25, body extent -30.75,-26 30.75,26, height 0.25
FP-DW0016A-IPC_A [mm]
  rect 2.603x0.622 smd paste+0 mask+0: 1(-4.565,4.445)
  rrect100% 2.603x0.622 smd paste+0 mask+0: 2(-4.565,3.175) 3(-4.565,1.905) 4(-4.565,0.635) 5(-4.565,-0.635) 6(-4.565,-1.905) 7(-4.565,-3.175) 8(-4.565,-4.445) 9(4.565,-4.445) 10(4.565,-3.175) 11(4.565,-1.905) 12(4.565,-0.635) 13(4.565,0.635) 14(4.565,1.905) 15(4.565,3.175) 16(4.565,4.445)
  silkscreen extent -3.45,-5.15 2.76,5.38, body extent -6.37,-5.65 6.37,5.65, height 0.25
FP-F863DS105K310Z_RADIAL-MFG [mm]
  rrect6% 1.55x1.55 hole 1 paste-2539.97 mask+0: 1(-11.25,0)
  round 1.55 hole 1 paste-2539.97 mask+0: 2(11.25,0)
  silkscreen extent -13.4,-5.6 13.4,5.6, body extent -13.5,-5.7 13.5,5.7, height 0.25
FP-F863FL225K310Z_RADIAL-MFG [mm]
  rrect6% 1.55x1.55 hole 1 paste-2539.97 mask+0: 1(-13.75,0)
  round 1.55 hole 1 paste-2539.97 mask+0: 2(13.75,0)
  silkscreen extent -16.15,-6.6 16.15,6.6, body extent -16.25,-6.7 16.25,6.7, height 0.25
FP-FCR7350B_CONN_BANANA_JACK-MFG [mm]
  rrect3% 3.35x3.35 hole 2.2 paste-2539.97 mask+0: 1(11,0)
  round 1.85 hole 1.2 paste-2539.97 mask+0: 2(4.64,5.08) 3(14.8,5.08) 4(4.64,-5.08) 5(14.8,-5.08)
  silkscreen extent 5.94,-6.05 17.2,6.05, body extent -16.7,-6.15 16.7,6.15, height 0.25
FP-FCR7350L_CONN_BANANA_JACK-MFG [mm]
  rrect3% 3.35x3.35 hole 2.2 paste-2539.97 mask+0: 1(11,0)
  round 1.85 hole 1.2 paste-2539.97 mask+0: 2(4.64,5.08) 3(14.8,5.08) 4(4.64,-5.08) 5(14.8,-5.08)
  silkscreen extent -1.83,-6.05 17.2,6.05, body extent -16.7,-6.15 16.7,6.15, height 0.25
FP-FCR7350R_CONN_BANANA_JACK-MFG [mm]
  rrect3% 3.35x3.35 hole 2.2 paste-2539.97 mask+0: 1(11,0)
  round 1.85 hole 1.2 paste-2539.97 mask+0: 2(4.64,5.08) 3(14.8,5.08) 4(4.64,-5.08) 5(14.8,-5.08)
  silkscreen extent 5.94,-6 17.22,6, body extent -16.6,-6.1 16.6,6.1, height 0.25
FP-FCR7350Y_CONN_BANANA_JACK-MFG [mm]
  rrect3% 3.35x3.35 hole 2.2 paste-2539.97 mask+0: 1(11,0)
  round 1.85 hole 1.2 paste-2539.97 mask+0: 2(4.64,5.08) 3(14.8,5.08) 4(4.64,-5.08) 5(14.8,-5.08)
  silkscreen extent 5.94,-6 17.22,6, body extent -16.6,-6.1 16.6,6.1, height 0.25
FP-IPT60R022S7XTMA1_HSOF8-MFG [mm]
  rrect13% 0.8x2.5 smd paste-1000 mask+0: 1(-4.2,-5.435) 2(-3,-5.435)
  rrect4% 6.8x2.5 smd paste-1000 mask-1000: 3-4-5-6-7-8(1.2,-5.435)
  rrect1% 10.1x8 smd paste-1000 mask-1000: 9(0,2.615)
  silkscreen extent -5.05,-7.41 5.05,-1.76, body extent -5.15,-6.79 5.15,6.72, height 0.25
FP-IsoM3-275-B-L2_RADIAL-MFG [mm]
  rrect6% 1.55x1.55 hole 1 paste-2539.97 mask+0: 1(-3.75,0)
  round 1.55 hole 1 paste-2539.97 mask+0: 2(3.75,0)
  silkscreen extent -6.6,-3.45 6.6,3.45, body extent -6.7,-3.55 6.7,3.55, height 0.25
"FP-KG DELLS1.22-JGKH-24_0603-MFG" [mm]
  rrect20% 1.05x0.5 smd paste-1000 mask+0: 1(-0.47,0)
  rrect20% 0.7x0.5 smd paste-1000 mask+0: 2(0.645,0)
  silkscreen extent -1.67,-0.63 0.75,0.63, body extent -1.09,-0.55 1.09,0.55, height 0.25
FP-MH1608-601Y_0603-MFG [mm]
  rrect14% 0.7x0.7 smd paste+0 mask+0: 1(-0.7,0) 2(0.7,0)
  silkscreen extent -0.87,-0.8 0.87,0.8, body extent -1.15,-0.6 1.15,0.6, height 0.25
FP-NRVBA340T3G_SMA-MFG [mm]
  rrect5% 2x2 smd paste+0 mask+0: 1(-2,0) 2(2,0)
  silkscreen extent -3.56,-1.46 2.28,1.46, body extent -3.1,-1.56 3.1,1.56, height 0.25
FP-PAD002-T764113S_SMT_XFRMR_7MM1_6MM5-MFG [mm]
  rrect10% 2.375x1.02 smd paste+0 mask+0: 1(-4.237,2.54) 2(-4.237,0) 3(-4.237,-2.54) 4(4.237,-2.54) 5(4.237,0) 6(4.237,2.54)
  silkscreen extent -6.08,-3.52 3.8,3.52, body extent -5.53,-3.62 5.53,3.62, height 0.25
FP-PTCEL13R600LBE_RADIAL-MFG [mm]
  rrect7% 1.35x1.35 hole 0.85 paste-2539.97 mask+0: 1(-2.5,0)
  round 1.35 hole 0.85 paste-2539.97 mask+0: 2(2.5,0)
  silkscreen extent -6.75,-3.5 6.75,3.5, body extent -6.85,-3.6 6.85,3.6, height 0.25
FP-RC0402JR-070RP_0402-MFG [mm]
  rrect20% 0.5x0.6 smd paste+0 mask+0: 1(-0.5,0) 2(0.5,0)
  silkscreen extent -0.5,-0.67 0.5,0.67, body extent -0.85,-0.4 0.85,0.4, height 0.25
FP-RC0402JR-07200RL_0402-MFG [mm]
  rrect20% 0.5x0.6 smd paste+0 mask+0: 1(-0.5,0) 2(0.5,0)
  silkscreen extent -0.5,-0.67 0.5,0.67, body extent -0.5,-0.25 0.5,0.25, height 0.4
FP-RGV3216P-1004-B-T1_1206-MFG [mm]
  rrect7% 1.4x2 smd paste+0 mask+0: 1(-1.8,0) 2(1.8,0)
  silkscreen extent -0.72,-0.92 0.72,0.92, body extent -2.6,-1.1 2.6,1.1, height 0.25
FP-RT0603BRD071KL_0603-MFG [mm]
  rrect13% 0.9x0.8 smd paste+0 mask+0: 1(-0.85,0) 2(0.85,0)
  silkscreen extent -0.85,-0.78 0.86,0.77, body extent -0.8,-0.4 0.8,0.4, height 0.57
FP-SDEM20161T-4R7MS_SMD2-MFG [mm]
  rrect15% 0.65x1.6 smd paste+0 mask+0: 1(-0.675,0) 2(0.675,0)
  silkscreen extent -1.05,-1.22 1.05,1.2, body extent -1,-0.8 1,0.8, height 1
FP-SF-3812F1500T-2_3812-MFG [mm]
  rrect3% 3.25x3.43 smd paste+0 mask+0: 1(-4.675,0) 2(4.675,0)
  silkscreen extent -2.68,-1.65 2.68,1.65, body extent -6.4,-1.82 6.4,1.82, height 0.25
FP-STD2HNK60Z_DPAK-MFG [mm]
  rrect7% 1.5x2.9 smd paste+0 mask+0: 1(-2.285,-5.075) 3(2.285,-5.075)
  rrect2% 6.3x6.5 smd paste+0 mask+0: 4(0,1.425)
  silkscreen extent -3.35,-3.1 3.35,-2.2, body extent -3.45,-6.63 3.45,4.77, height 0.25
FP-VER2923-223KL_PTH_INDUCTOR_26MM92_16MM46-MFG [mm]
  rrect5% 6.97x2.14 hole 1.54 slot 6.37 at 0 deg paste-2539.97 mask+0: 1(-8.255,2.615)
  rrect100% 6.97x2.14 hole 1.54 slot 6.37 at 0 deg paste-2539.97 mask+0: 2(8.255,-2.615)
  silkscreen extent -13.71,-8.48 13.71,8.48, body extent -13.81,-8.58 13.81,8.58, height 0.25